# Altium PCB BreakOutBoard_Cyclone.PcbDoc (part 2 of 7)
Units mm, origin at the board's own origin, x right, y up, seen from the top; angles counter-clockwise.
Board outline 360 x 235.6 mm, 2 copper layers (Top Layer, Bottom Layer); 147 components, 203 nets, 2829 pads, 104 vias.
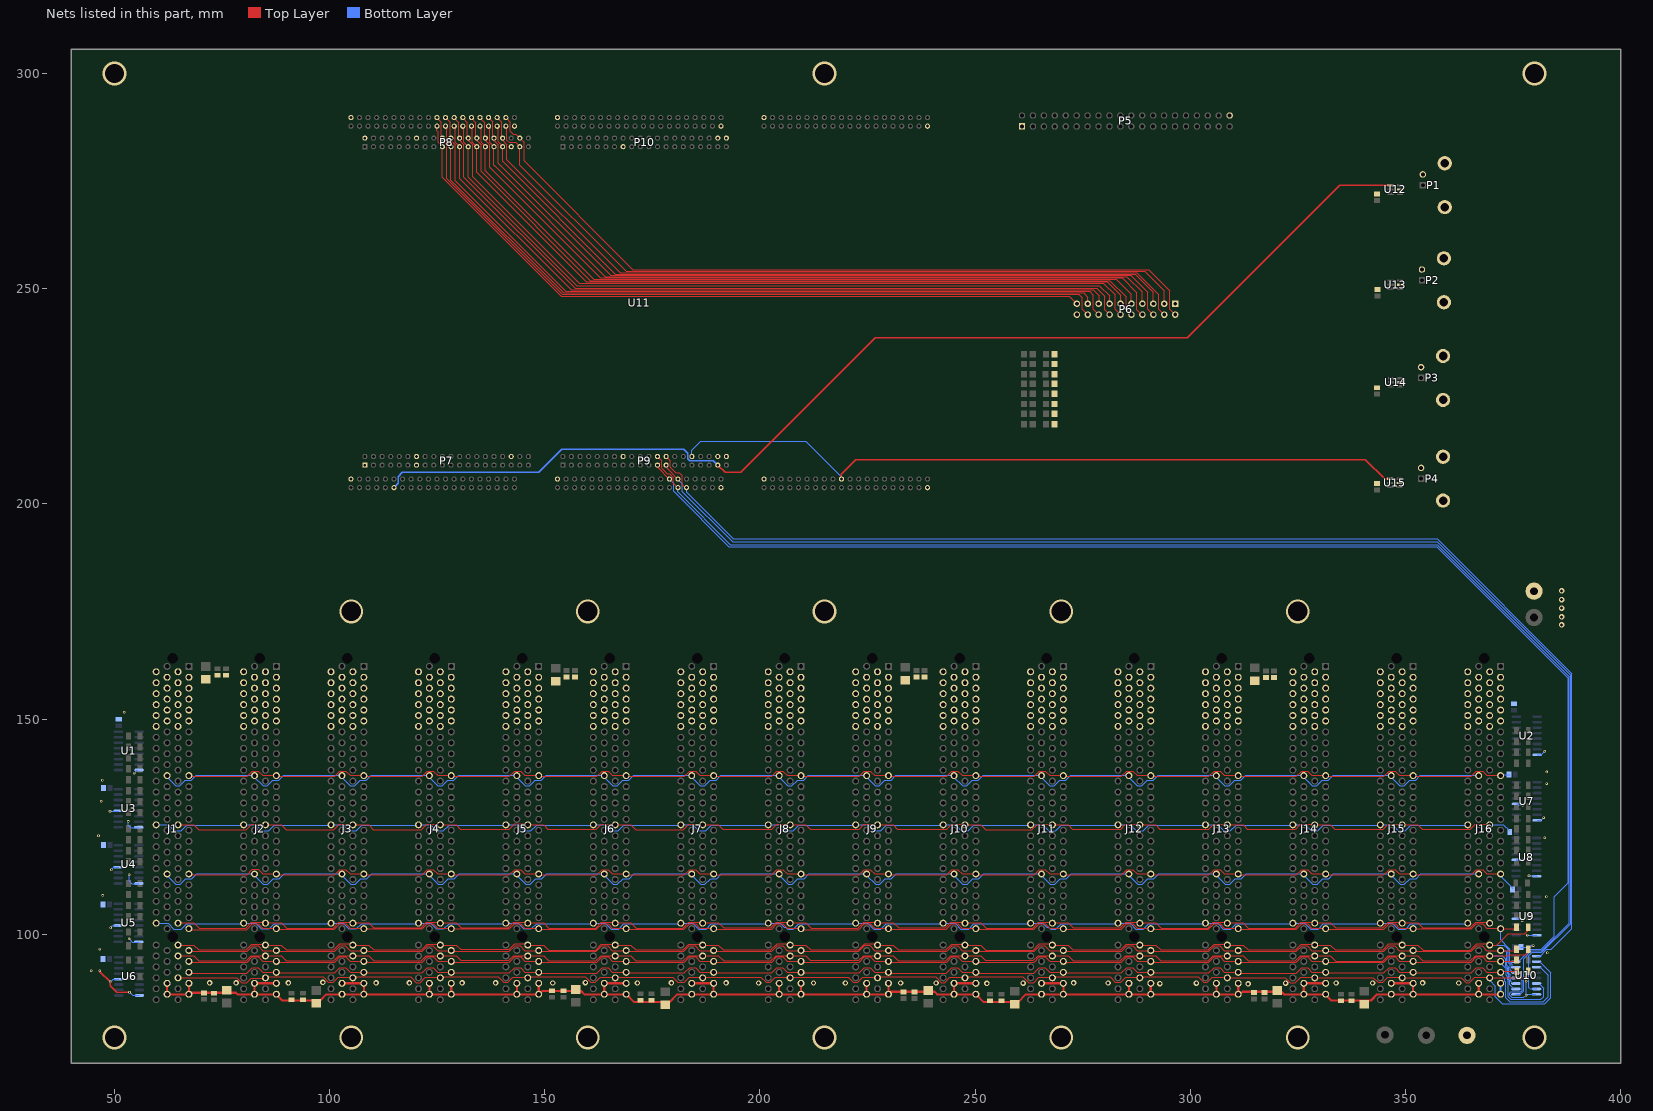
[diagram p2: the nets of this part, all layers, seen from the top]

## Via types
v1: diameter 0.6, hole 0.3, Top Layer to Bottom Layer, 53 vias
v2: diameter 1.27, hole 0.711, Top Layer to Bottom Layer, 36 vias
v3: diameter 5.5, hole 4.5, Top Layer to Bottom Layer, 15 vias

## Nets (pads, with @x,y where several pads share a name; then routed paths per layer and width w, separated by ;. In a path a pad name is that pad's centre, name@x,y a point inside that pad or via, vN(x,y) a via of type N, cw(c..) or ccw(c..) an arc to the next point about the centre after c; other vN are vias at no path point) (continued)
AGND: C1.2 C2.2 C3.2 C4.2 C5.2 C6.2 C7.1 C8.1 C9.1 C10.1 C11.1 C12.1 C13.1 C14.1 C15.2 C16.2 C17.2 C18.2 C19.2 C20.2 C21.2 C22.2 C23.1 C24.1 C25.1 C26.1 C27.1 C28.1 C29.1 C30.1 C31.1 C32.1 C33.1 C34.1 C35.1 C36.1 C37.1 C38.1 C39.2 C40.2 C41.2 C42.2 C43.2 C44.2 C45.2 C46.2 C47.1 C48.1 C49.1 C50.1 J1.2 J1.3 J1.4 J1.5 J1.6 J1.7 J1.8 J1.9 J1.10 J1.11 J1.12 J1.21 J1.30 J1.39 J1.48 J1.57 J1.59 J1.62 J1.63 J1.64 J1.65 J1.66 J1.67 J1.68 J1.69 J1.70 J1.71 J1.72 J1.81 J1.90 J1.99 J1.108 J1.117 J1.119 J2.2 J2.3 J2.4 J2.5 J2.6 J2.7 J2.8 J2.9 J2.10 J2.11 J2.12 J2.21 J2.30 J2.39 J2.48 J2.57 J2.59 J2.62 J2.63 J2.64 J2.65 J2.66 J2.67 J2.68 J2.69 J2.70 J2.71 J2.72 J2.81 J2.90 J2.99 J2.108 J2.117 J2.119 J3.2 J3.3 J3.4 J3.5 J3.6 J3.7 J3.8 J3.9 J3.10 J3.11 J3.12 J3.21 J3.30 J3.39 J3.48 J3.57 J3.59 J3.62 J3.63 J3.64 J3.65 J3.66 J3.67 J3.68 J3.69 J3.70 J3.71 J3.72 J3.81 J3.90 J3.99 J3.108 J3.117 J3.119 J4.2 J4.3 J4.4 J4.5 J4.6 J4.7 J4.8 J4.9 J4.10 J4.11 J4.12 J4.21 J4.30 J4.39 J4.48 J4.57 J4.59 J4.62 J4.63 J4.64 J4.65 J4.66 J4.67 J4.68 J4.69 J4.70 J4.71 J4.72 J4.81 J4.90 J4.99 J4.108 J4.117 J4.119 J5.2 J5.3 J5.4 J5.5 J5.6 J5.7 J5.8 J5.9 J5.10 J5.11 J5.12 J5.21 J5.30 J5.39 J5.48 J5.57 J5.59 J5.62 J5.63 J5.64 J5.65 J5.66 J5.67 J5.68 J5.69 J5.70 J5.71 J5.72 J5.81 J5.90 J5.99 J5.108 J5.117 J5.119 J6.2 J6.3 J6.4 J6.5 J6.6 J6.7 J6.8 J6.9 J6.10 J6.11 J6.12 J6.21 J6.30 J6.39 J6.48 J6.57 J6.59 J6.62 J6.63 J6.64 J6.65 J6.66 J6.67 J6.68 J6.69 J6.70 J6.71 J6.72 J6.81 J6.90 J6.99 J6.108 J6.117 J6.119 J7.2 J7.3 J7.4 J7.5 J7.6 J7.7 J7.8 J7.9 J7.10 J7.11 J7.12 J7.21 J7.30 J7.39 J7.48 J7.57 J7.59 J7.62 J7.63 J7.64 J7.65 J7.66 J7.67 J7.68 J7.69 J7.70 J7.71 J7.72 J7.81 J7.90 J7.99 J7.108 J7.117 J7.119 J8.2 J8.3 J8.4 J8.5 J8.6 J8.7 J8.8 J8.9 J8.10 J8.11 J8.12 J8.21 J8.30 J8.39 J8.48 J8.57 J8.59 J8.62 J8.63 J8.64 J8.65 J8.66 J8.67 J8.68 J8.69 J8.70 J8.71 J8.72 J8.81 J8.90 J8.99 J8.108 J8.117 J8.119 J9.2 J9.3 J9.4 J9.5 J9.6 J9.7 J9.8 J9.9 J9.10 J9.11 J9.12 J9.21 J9.30 J9.39 J9.48 J9.57 J9.59 J9.62 J9.63 J9.64 J9.65 J9.66 J9.67 J9.68 J9.69 J9.70 J9.71 J9.72 J9.81 J9.90 J9.99 J9.108 J9.117 J9.119 J10.2 J10.3 J10.4 J10.5 J10.6 J10.7 J10.8 J10.9 J10.10 J10.11 J10.12 J10.21 J10.30 J10.39 J10.48 J10.57 J10.59 J10.62 J10.63 J10.64 J10.65 J10.66 J10.67 J10.68 J10.69 J10.70 J10.71 J10.72 J10.81 J10.90 J10.99 J10.108 J10.117 J10.119 J11.2 J11.3 J11.4 J11.5 J11.6 J11.7 J11.8 J11.9 J11.10 J11.11 J11.12 J11.21 J11.30 J11.39 J11.48 J11.57 J11.59 J11.62 J11.63 J11.64 J11.65 J11.66 J11.67 J11.68 J11.69 J11.70 J11.71 J11.72 J11.81 J11.90 J11.99 J11.108 J11.117 J11.119 J12.2 J12.3 J12.4 J12.5 J12.6 J12.7 J12.8 J12.9 J12.10 J12.11 J12.12 J12.21 J12.30 J12.39 J12.48 J12.57 J12.59 J12.62 J12.63 J12.64 J12.65 J12.66 J12.67 J12.68 J12.69 J12.70 J12.71 J12.72 J12.81 J12.90 J12.99 J12.108 J12.117 J12.119 J13.2 J13.3 J13.4 J13.5 J13.6 J13.7 J13.8 J13.9 J13.10 J13.11 J13.12 J13.21 J13.30 J13.39 J13.48 J13.57 J13.59 J13.62 J13.63 J13.64 J13.65 J13.66 J13.67 J13.68 J13.69 J13.70 J13.71 J13.72 J13.81 J13.90 J13.99 J13.108 J13.117 J13.119 J14.2 J14.3 J14.4 J14.5 J14.6 J14.7 J14.8 J14.9 J14.10 J14.11 J14.12 J14.21 J14.30 J14.39 J14.48 J14.57 J14.59 J14.62 J14.63 J14.64 J14.65 J14.66 J14.67 J14.68 J14.69 J14.70 J14.71 J14.72 J14.81 J14.90 J14.99 J14.108 J14.117 J14.119 J15.2 J15.3 J15.4 J15.5 J15.6 J15.7 J15.8 J15.9 J15.10 J15.11 J15.12 J15.21 J15.30 J15.39 J15.48 J15.57 J15.59 J15.62 J15.63 J15.64 J15.65 J15.66 J15.67 J15.68 J15.69 J15.70 J15.71 J15.72 J15.81 J15.90 J15.99 J15.108 J15.117 J15.119 J16.2 J16.3 J16.4 J16.5 J16.6 J16.7 J16.8 J16.9 J16.10 J16.11 J16.12 J16.21 J16.30 J16.39 J16.48 J16.57 J16.59 J16.62 J16.63 J16.64 J16.65 J16.66 J16.67 J16.68 J16.69 J16.70 J16.71 J16.72 J16.81 J16.90 J16.99 J16.108 J16.117 J16.119 P1.2 P2.2 P3.2 P4.2 P5.1 P5.40 P6.1 P6.20 P7.1 P7.13 P7.14 P7.36 P8.2 P8.14 P8.35 P9.16 P9.38 P9.40 P10.15 P10.38 P10.40 pad.0@364.3,76.5 pad.0@379.9,179.7 R41.1 R42.1 R43.1 R44.1 R45.1 R46.1 R47.1 R48.1 U1.8 U2.8 U3.8 U3.12 U4.8 U4.12 U5.8 U5.12 U6.8 U6.12 U7.8 U7.12 U8.8 U8.12 U9.8 U9.12 U10.8 U10.12 U11.1A2 U11.1B2 U11.1B39 U11.1C2 U11.1C39 U11.2A2 U11.2A39 U11.2B2 U11.2B39 U11.2C2 U11.2C39 U12.2 U13.2 U14.2 U15.2 | length 3094.9
  Top Layer w0.15: J1.48@64.77,102.672 68.428,102.672 69.72,101.38 80.48,101.38 81.83,102.73 J2.48@85.032,102.73 ; J1.30@64.77,125.373 68.428,125.373 69.54,124.26 80.66,124.26 81.95,125.55 84.912,125.55 J2.30@85.032,125.43 ; J1.21@67.31,136.902 67.522,136.69 80.819,136.69 82.032,137.903 83.436,137.903 84.437,136.902 87.63,136.902 87.842,136.69 101.139,136.69 102.352,137.903 103.756,137.903 104.757,136.902 107.95,136.902 108.152,136.7 121.469,136.7 122.672,137.903 124.076,137.903 125.077,136.902 128.27,136.902 128.512,136.66 141.749,136.66 142.992,137.903 144.396,137.903 145.397,136.902 148.59,136.902 148.802,136.69 162.099,136.69 163.312,137.903 164.716,137.903 165.717,136.902 168.91,136.902 169.142,136.67 182.399,136.67 183.632,137.903 185.036,137.903 186.037,136.902 189.23,136.902 189.426,136.706 202.755,136.706 203.952,137.903 205.356,137.903 206.357,136.902 209.55,136.902 209.752,136.7 223.069,136.7 224.272,137.903 225.676,137.903 226.677,136.902 229.87,136.902 230.072,136.7 243.389,136.7 244.592,137.903 245.996,137.903 246.997,136.902 250.19,136.902 250.392,136.7 263.709,136.7 264.912,137.903 266.316,137.903 267.317,136.902 270.51,136.902 270.732,136.68 284.009,136.68 285.232,137.903 286.636,137.903 287.637,136.902 290.83,136.902 291.062,136.67 304.319,136.67 305.552,137.903 306.956,137.903 307.957,136.902 311.15,136.902 311.346,136.706 324.675,136.706 325.872,137.903 327.276,137.903 328.277,136.902 331.47,136.902 331.712,136.66 344.949,136.66 346.192,137.903 347.596,137.903 348.597,136.902 351.79,136.902 351.982,136.71 365.319,136.71 366.512,137.903 367.916,137.903 368.917,136.902 J16.21@372.11,136.902 ; J1.11@67.31,149.503 J1.11@67.506,149.306 ; J1.39@67.506,113.806 67.512,113.8 80.829,113.8 82.059,115.03 83.409,115.03 84.437,114.002 J2.39@87.63,114.002 ; J2.48@85.09,102.672 88.748,102.672 90,101.42 100.84,101.42 102.15,102.73 J3.48@105.352,102.73 ; J2.30@85.09,125.373 88.748,125.373 89.87,124.25 100.97,124.25 102.27,125.55 105.232,125.55 J3.30@105.352,125.43 ; J2.11@87.63,149.503 J2.11@87.826,149.306 ; J2.39@87.826,113.806 101.155,113.806 102.352,115.003 103.756,115.003 104.757,114.002 J3.39@107.95,114.002 ; J3.48@105.41,102.672 109.068,102.672 110.24,101.5 121.24,101.5 122.47,102.73 J4.48@125.672,102.73 ; J3.30@105.41,125.373 109.068,125.373 110.19,124.25 121.29,124.25 122.59,125.55 125.552,125.55 J4.30@125.672,125.43 ; J3.39@108.146,113.806 121.475,113.806 122.672,115.003 124.076,115.003 125.077,114.002 J4.39@128.27,114.002 ; J4.48@125.73,102.672 129.388,102.672 130.56,101.5 141.56,101.5 142.79,102.73 J5.48@145.992,102.73 ; J4.30@125.73,125.373 129.388,125.373 130.358,124.402 141.763,124.402 142.98,125.62 145.802,125.62 J5.30@145.992,125.43 ; J4.39@128.466,113.806 141.795,113.806 142.992,115.003 144.396,115.003 145.397,114.002 J5.39@148.59,114.002 ; J5.48@146.05,102.672 149.708,102.672 150.97,101.41 161.79,101.41 163.11,102.73 J6.48@166.312,102.73 ; J5.30@146.05,125.373 149.708,125.373 150.678,124.402 162.011,124.402 163.158,125.55 166.192,125.55 J6.30@166.312,125.43 ; J5.39@148.786,113.806 162.115,113.806 163.312,115.003 164.716,115.003 165.717,114.002 J6.39@168.91,114.002 ; J6.48@166.37,102.672 170.028,102.672 171.31,101.39 182.09,101.39 183.43,102.73 J7.48@186.632,102.73 ; J6.30@166.37,125.373 170.028,125.373 171.11,124.29 182.146,124.29 183.456,125.6 186.462,125.6 J7.30@186.632,125.43 ; J6.39@169.106,113.806 182.435,113.806 183.632,115.003 185.036,115.003 186.037,114.002 J7.39@189.23,114.002 ; J7.48@186.69,102.672 190.348,102.672 191.56,101.46 202.48,101.46 203.75,102.73 J8.48@206.952,102.73 ; J7.30@186.69,125.373 190.348,125.373 191.318,124.402 202.723,124.402 203.9,125.58 206.802,125.58 J8.30@206.952,125.43 ; J7.39@189.426,113.806 202.755,113.806 203.952,115.003 205.356,115.003 206.357,114.002 J8.39@209.55,114.002 ; J8.48@207.01,102.672 210.668,102.672 211.98,101.36 222.7,101.36 224.07,102.73 J9.48@227.272,102.73 ; J8.30@207.01,125.373 210.668,125.373 211.638,124.402 223.043,124.402 224.17,125.53 227.172,125.53 J9.30@227.272,125.43 ; J8.39@209.746,113.806 223.075,113.806 224.272,115.003 225.676,115.003 226.677,114.002 J9.39@229.87,114.002 ; J9.48@227.33,102.672 230.988,102.672 232.21,101.45 243.11,101.45 244.39,102.73 J10.48@247.592,102.73 ; J9.30@227.33,125.373 230.988,125.373 231.958,124.402 243.363,124.402 244.54,125.58 247.442,125.58 J10.30@247.592,125.43 ; J9.39@230.066,113.806 243.395,113.806 244.592,115.003 245.996,115.003 246.997,114.002 J10.39@250.19,114.002 ; J10.48@247.65,102.672 251.308,102.672 252.59,101.39 263.37,101.39 264.71,102.73 J11.48@267.912,102.73 ; J10.30@247.65,125.373 251.308,125.373 252.47,124.21 263.218,124.21 264.562,125.554 267.788,125.554 J11.30@267.912,125.43 ; J10.39@250.386,113.806 263.715,113.806 264.912,115.003 266.316,115.003 267.317,114.002 J11.39@270.51,114.002 ; J11.48@267.97,102.672 271.628,102.672 272.86,101.44 283.74,101.44 285.03,102.73 J12.48@288.232,102.73 ; J11.30@267.97,125.373 271.628,125.373 272.598,124.402 283.811,124.402 284.908,125.5 288.162,125.5 J12.30@288.232,125.43 ; J11.39@270.706,113.806 284.035,113.806 285.232,115.003 286.636,115.003 287.637,114.002 J12.39@290.83,114.002 ; J12.48@288.29,102.672 291.948,102.672 293.23,101.39 304.01,101.39 305.35,102.73 J13.48@308.552,102.73 ; J12.30@288.29,125.373 291.948,125.373 292.918,124.402 304.311,124.402 305.462,125.554 308.428,125.554 J13.30@308.552,125.43 ; J12.39@291.026,113.806 304.355,113.806 305.552,115.003 306.956,115.003 307.957,114.002 J13.39@311.15,114.002 ; J13.48@308.61,102.672 312.268,102.672 313.52,101.42 324.36,101.42 325.67,102.73 J14.48@328.872,102.73 ; J13.30@308.61,125.373 312.268,125.373 313.238,124.402 324.511,124.402 325.608,125.5 328.802,125.5 J14.30@328.872,125.43 ; J13.39@311.346,113.806 324.675,113.806 325.872,115.003 327.276,115.003 328.277,114.002 J14.39@331.47,114.002 ; J14.48@328.93,102.672 332.588,102.672 333.81,101.45 344.71,101.45 345.99,102.73 J15.48@349.192,102.73 ; J14.30@328.93,125.373 332.588,125.373 333.558,124.402 344.861,124.402 345.958,125.5 349.122,125.5 J15.30@349.192,125.43 ; J14.39@331.666,113.806 344.995,113.806 346.192,115.003 347.596,115.003 348.597,114.002 J15.39@351.79,114.002 ; J15.48@349.25,102.672 352.908,102.672 354.074,101.506 365.086,101.506 366.31,102.73 J16.48@369.512,102.73 ; J15.30@349.25,125.373 352.908,125.373 353.878,124.402 365.103,124.402 366.2,125.5 369.442,125.5 J16.30@369.512,125.43 ; J15.39@351.986,113.806 365.315,113.806 366.512,115.003 367.916,115.003 368.917,114.002 J16.39@372.11,114.002
  Top Layer w0.3: v1@46.6,91.3 v1(49,88.9) 49,88 50.5,86.5 v1(53.5,86.5)
  Top Layer w0.5: J1.119@62.2,86 67.4,86 67.8,86.4 78.2,86.4 78.6,86 87.6,86 89,84.6 97.8,84.6 99.2,86 148.6,86 149.4,86.8 158.4,86.8 159.2,86 169,86 170.8,84.2 179,84.2 180.8,86 229.8,86 230.4,86.6 240.6,86.6 241.2,86 250.2,86 252,84.2 260,84.2 261.8,86 J12.119@285.75,86 ; J1.119@62.23,86.03 J1.119@62.23,86.042 J1.117@62.23,88.582 ; J1.59@67.31,86.09 J1.57@67.31,88.582 ; J2.117@82.5,88.6 82.518,88.582 J2.117@82.55,88.582 ; J2.119@82.55,86.05 J2.117@82.55,88.582 ; J2.57@87.63,88.582 J2.117@82.55,88.582 ; J3.117@102.8,88.6 102.818,88.582 J3.117@102.87,88.582 J3.57@107.95,88.582 J3.59@107.95,86.05 ; J4.119@123.19,86.01 J4.119@123.19,86.042 J4.117@123.19,88.582 ; J4.59@128.27,86.13 J4.57@128.27,88.582 ; J5.119@143.51,86.09 J5.117@143.51,88.582 ; J5.59@148.59,86.01 J5.59@148.59,86.042 J5.57@148.59,88.582 ; J6.119@163.83,86.03 J6.119@163.83,86.042 J6.117@163.83,88.582 ; J6.117@163.9,88.6 163.918,88.582 J6.57@168.91,88.582 ; J7.117@184.1,88.6 184.118,88.582 J7.117@184.15,88.582 J7.57@189.23,88.582 J7.59@189.23,86.042 J7.59@189.23,86.03 ; J8.119@204.47,86.07 J8.117@204.47,88.582 ; J8.59@209.55,86.05 J8.57@209.55,88.582 ; J9.119@224.79,86.01 J9.119@224.79,86.042 J9.117@224.79,88.582 ; J9.59@229.87,86.27 J9.57@229.87,88.582 ; J10.117@245.1,88.6 245.118,88.582 J10.57@250.19,88.582 ; J10.119@245.11,86.09 J10.117@245.11,88.582 ; J11.117@265.4,88.6 265.418,88.582 J11.117@265.43,88.582 J11.57@270.51,88.582 J11.59@270.51,86.09 ; J12.119@285.75,85.85 J12.119@285.75,86 ; J12.117@285.75,88.582 J12.119@285.75,86.042 J12.119@285.75,86 ; J12.59@290.83,85.83 J12.59@290.83,86 ; J12.57@290.83,88.582 J12.59@290.83,86.042 J12.59@290.83,86 ; J13.119@306.07,86.07 J13.117@306.07,88.582 ; J13.59@311.15,86.05 J13.57@311.15,88.582 ; J14.119@326.39,86.01 J14.119@326.39,86.042 J14.117@326.39,88.582 ; J14.117@326.4,88.6 326.418,88.582 J14.57@331.47,88.582 ; J15.117@346.7,88.6 346.718,88.582 J15.57@351.79,88.582 J15.59@351.79,86.042 J15.59@351.79,86 ; J15.59@351.79,85.81 J15.59@351.79,86 ; J16.119@367.03,86.17 J16.117@367.03,88.582 ; J16.59@372.11,86 J15.59@351.79,86 ; J12.119@285.75,86 J12.59@290.83,86 ; J12.59@290.83,86 311.6,86 312.2,86.6 321.2,86.6 321.8,86 331.4,86 332.8,84.6 342,84.6 343.4,86 J15.59@351.79,86
  Bottom Layer w0.15: v1(48.965,128.565) U3.12@51,128.565 ; v1(49,88.9) 49.665,89.565 U6.12@51,89.565 ; v1(49.1,101.5) 49,101.5 49.465,101.965 U5.12@51,101.965 ; v1(49.3,115) 49.865,115.565 U4.12@51,115.565 ; v1(53.2,126.2) 53.2,125.3 53.745,124.755 U3.8@55.8,124.755 ; v1(53.4,98.9) 54.145,98.155 U5.8@55.8,98.155 ; v1(53.4,113.8) 53.4,112.4 54.045,111.755 U4.8@55.8,111.755 ; v1(53.5,86.5) 54.245,85.755 U6.8@55.8,85.755 ; v1(54.61,137.44) 55.225,138.055 U1.8@55.47,138.055 ; J1.108@59.6,102.5 62.5,102.5 63.83,101.17 65.57,101.17 66.8,102.4 79.758,102.4 J2.108@79.91,102.552 ; J1.90@59.6,125.4 62.5,125.4 63.9,124 65.5,124 66.8,125.3 79.758,125.3 J2.90@79.91,125.452 ; J1.81@62.1,136.9 62.1,136.6 64.2,134.5 65.2,134.5 66.5,135.8 67.9,135.8 69.023,136.922 J2.81@82.45,136.922 ; J1.71@62.1,149.2 J1.71@62.1,149.5 ; J1.69@62.1,151.8 J1.69@62.1,152.1 ; J1.67@62.1,154.3 J1.67@62.1,154.6 ; J1.65@62.1,156.9 J1.65@62.1,157.2 ; J1.99@62.2,114 62.2,113.7 64.3,111.6 65.3,111.6 66.6,112.9 68,112.9 69.123,114.022 J2.99@82.55,114.022 ; J2.72@79.758,148.1 J2.72@79.91,148.253 ; J2.108@79.92,102.5 82.82,102.5 84.12,101.2 85.92,101.2 87.12,102.4 100.078,102.4 J3.108@100.23,102.552 ; J2.90@79.92,125.4 82.82,125.4 84.22,124 85.82,124 87.12,125.3 100.078,125.3 J3.90@100.23,125.452 ; J2.81@82.42,136.9 82.42,136.6 84.52,134.5 85.52,134.5 86.82,135.8 88.22,135.8 89.343,136.922 J3.81@102.77,136.922 ; J2.71@82.42,149.2 J2.71@82.42,149.5 ; J2.99@82.52,114 82.52,113.7 84.62,111.6 85.62,111.6 86.92,112.9 88.32,112.9 89.443,114.022 J3.99@102.87,114.022 ; J3.72@100.078,148.1 J3.72@100.23,148.253 ; J3.108@100.24,102.5 103.14,102.5 104.44,101.2 106.24,101.2 107.44,102.4 120.398,102.4 J4.108@120.55,102.552 ; J3.90@100.24,125.4 103.14,125.4 104.54,124 106.14,124 107.44,125.3 120.398,125.3 J4.90@120.55,125.452 ; J3.81@102.74,136.9 102.74,136.6 104.84,134.5 105.84,134.5 107.14,135.8 108.54,135.8 109.663,136.922 J4.81@123.09,136.922 ; J3.99@102.84,114 102.84,113.7 104.94,111.6 105.94,111.6 107.24,112.9 108.64,112.9 109.763,114.022 J4.99@123.19,114.022 ; J4.108@120.56,102.5 123.46,102.5 124.76,101.2 126.56,101.2 127.76,102.4 140.718,102.4 J5.108@140.87,102.552 ; J4.90@120.56,125.4 123.46,125.4 124.86,124 126.46,124 127.76,125.3 140.718,125.3 J5.90@140.87,125.452 ; J4.81@123.06,136.9 123.06,136.6 125.16,134.5 126.16,134.5 127.46,135.8 128.86,135.8 129.983,136.922 J5.81@143.41,136.922 ; J4.99@123.16,114 123.16,113.7 125.26,111.6 126.26,111.6 127.56,112.9 128.96,112.9 130.083,114.022 J5.99@143.51,114.022 ; J5.66@140.718,155.8 J5.66@140.87,155.952 ; J5.108@140.88,102.5 143.78,102.5 145.08,101.2 146.88,101.2 148.08,102.4 161.038,102.4 J6.108@161.19,102.552 ; J5.90@140.88,125.4 143.78,125.4 145.18,124 146.78,124 148.08,125.3 161.038,125.3 J6.90@161.19,125.452 ; J5.81@143.38,136.9 143.38,136.6 145.48,134.5 146.48,134.5 147.78,135.8 149.18,135.8 150.303,136.922 J6.81@163.73,136.922 ; J5.99@143.48,114 143.48,113.7 145.58,111.6 146.58,111.6 147.88,112.9 149.28,112.9 150.403,114.022 J6.99@163.83,114.022 ; J6.66@161.038,155.8 J6.66@161.19,155.952 ; J6.108@161.2,102.5 164.1,102.5 165.41,101.19 167.19,101.19 168.4,102.4 181.358,102.4 J7.108@181.51,102.552 ; J6.90@161.2,125.4 164.1,125.4 165.5,124 167.1,124 168.4,125.3 181.358,125.3 J7.90@181.51,125.452 ; J6.81@163.7,136.9 163.7,136.6 165.8,134.5 166.8,134.5 168.1,135.8 169.5,135.8 170.623,136.922 J7.81@184.05,136.922 ; J6.99@163.8,114 163.8,113.7 165.9,111.6 166.9,111.6 168.2,112.9 169.6,112.9 170.723,114.022 J7.99@184.15,114.022 ; J7.66@181.358,155.8 J7.66@181.51,155.952 ; J7.108@181.52,102.5 184.42,102.5 185.74,101.18 187.5,101.18 188.72,102.4 201.678,102.4 J8.108@201.83,102.552 ; J7.90@181.52,125.4 184.42,125.4 185.82,124 187.42,124 188.72,125.3 201.678,125.3 J8.90@201.83,125.452 ; J7.81@184.02,136.9 184.02,136.6 186.12,134.5 187.12,134.5 188.42,135.8 189.82,135.8 190.943,136.922 J8.81@204.37,136.922 ; J7.99@184.12,114 184.12,113.7 186.22,111.6 187.22,111.6 188.52,112.9 189.92,112.9 191.043,114.022 J8.99@204.47,114.022 ; J8.66@201.678,155.8 J8.66@201.83,155.952 ; J8.108@201.84,102.5 204.74,102.5 205.658,101.582 206.003,101.582 206.485,101.1 207.74,101.1 209.04,102.4 221.998,102.4 J9.108@222.15,102.552 ; J8.90@201.84,125.4 204.74,125.4 206.14,124 207.74,124 209.04,125.3 221.998,125.3 J9.90@222.15,125.452 ; J8.81@204.34,136.9 204.34,136.6 206.44,134.5 207.44,134.5 208.74,135.8 210.14,135.8 211.263,136.922 J9.81@224.69,136.922 ; J8.99@204.44,114 204.44,113.7 206.54,111.6 207.54,111.6 208.84,112.9 210.24,112.9 211.363,114.022 J9.99@224.79,114.022 ; J9.66@221.998,155.8 J9.66@222.15,155.952 ; J9.108@222.16,102.5 225.06,102.5 226.42,101.14 228.1,101.14 229.36,102.4 242.318,102.4 J10.108@242.47,102.552 ; J9.90@222.16,125.4 225.06,125.4 226.46,124 228.06,124 229.36,125.3 242.318,125.3 J10.90@242.47,125.452 ; J9.81@224.66,136.9 224.66,136.6 226.76,134.5 227.76,134.5 229.06,135.8 230.46,135.8 231.583,136.922 J10.81@245.01,136.922 ; J9.99@224.76,114 224.76,113.7 226.86,111.6 227.86,111.6 229.16,112.9 230.56,112.9 231.683,114.022 J10.99@245.11,114.022 ; J10.108@242.48,102.5 245.38,102.5 246.69,101.19 248.47,101.19 249.68,102.4 262.638,102.4 J11.108@262.79,102.552 ; J10.90@242.48,125.4 245.38,125.4 246.78,124 248.38,124 249.68,125.3 262.638,125.3 J11.90@262.79,125.452 ; J10.81@244.98,136.9 244.98,136.6 247.08,134.5 248.08,134.5 249.38,135.8 250.78,135.8 251.903,136.922 J11.81@265.33,136.922 ; J10.99@245.08,114 245.08,113.7 247.18,111.6 248.18,111.6 249.48,112.9 250.88,112.9 252.003,114.022 J11.99@265.43,114.022 ; J11.108@262.8,102.5 265.7,102.5 266.618,101.582 267.052,101.582 267.535,101.1 268.7,101.1 270,102.4 282.958,102.4 J12.108@283.11,102.552 ; J11.90@262.8,125.4 265.7,125.4 267.1,124 268.7,124 270,125.3 282.958,125.3 J12.90@283.11,125.452 ; J11.81@265.3,136.9 265.3,136.6 267.4,134.5 268.4,134.5 269.7,135.8 271.1,135.8 272.223,136.922 J12.81@285.65,136.922 ; J11.99@265.4,114 265.4,113.7 267.5,111.6 268.5,111.6 269.8,112.9 271.2,112.9 272.323,114.022 J12.99@285.75,114.022 ; J12.108@283.12,102.5 286.02,102.5 287.35,101.17 289.09,101.17 290.32,102.4 303.278,102.4 J13.108@303.43,102.552 ; J12.90@283.12,125.4 286.02,125.4 287.42,124 289.02,124 290.32,125.3 303.278,125.3 J13.90@303.43,125.452 ; J12.81@285.62,136.9 285.62,136.6 287.72,134.5 288.72,134.5 290.02,135.8 291.42,135.8 292.543,136.922 J13.81@305.97,136.922 ; J12.99@285.72,114 285.72,113.7 287.82,111.6 288.82,111.6 290.12,112.9 291.52,112.9 292.643,114.022 J13.99@306.07,114.022 ; J13.108@303.44,102.5 306.34,102.5 307.717,101.123 309.363,101.123 310.64,102.4 323.598,102.4 J14.108@323.75,102.552 ; J13.90@303.44,125.4 306.34,125.4 307.74,124 309.34,124 310.64,125.3 323.598,125.3 J14.90@323.75,125.452 ; J13.81@305.94,136.9 305.94,136.6 308.04,134.5 309.04,134.5 310.34,135.8 311.74,135.8 312.863,136.922 J14.81@326.29,136.922 ; J13.99@306.04,114 306.04,113.7 308.14,111.6 309.14,111.6 310.44,112.9 311.84,112.9 312.963,114.022 J14.99@326.39,114.022 ; J14.108@323.76,102.5 326.66,102.5 328.01,101.15 329.71,101.15 330.96,102.4 343.918,102.4 J15.108@344.07,102.552 ; J14.90@323.76,125.4 326.66,125.4 328.06,124 329.66,124 330.96,125.3 343.918,125.3 J15.90@344.07,125.452 ; J14.81@326.26,136.9 326.26,136.6 328.36,134.5 329.36,134.5 330.66,135.8 332.06,135.8 333.183,136.922 J15.81@346.61,136.922 ; J14.99@326.36,114 326.36,113.7 328.46,111.6 329.46,111.6 330.76,112.9 332.16,112.9 333.283,114.022 J15.99@346.71,114.022 ; J15.108@344.08,102.5 346.98,102.5 348.3,101.18 350.06,101.18 351.28,102.4 364.238,102.4 J16.108@364.39,102.552 ; J15.90@344.08,125.4 346.98,125.4 348.38,124 349.98,124 351.28,125.3 364.238,125.3 J16.90@364.39,125.452 ; J15.81@346.58,136.9 346.58,136.6 348.68,134.5 349.68,134.5 350.98,135.8 352.38,135.8 353.503,136.922 J16.81@366.93,136.922 ; J15.99@346.68,114 346.68,113.7 348.78,111.6 349.78,111.6 351.08,112.9 352.48,112.9 353.603,114.022 J16.99@367.03,114.022 ; J16.30@369.57,125.412 372.788,125.412 C44.2@374.1,124.1 ; J16.39@372.11,113.983 372.11,113.49 C45.2@374.9,110.7 ; J16.21@372.2,136.8 372.5,137.1 C43.2@374.25,137.1 ; U10.12@375.67,89.805 376.485,89.805 377.14,89.15 377.14,86.98 376.76,86.6 374.5,86.6 374.2,86.3 374.2,85.784 374.664,85.32 377.53,85.32 v1(378.04,85.83) ; U9.12@375.7,103.565 376.665,103.565 v1(377.14,103.09) ; U7.12@376.735,130.265 U7.12@375.8,130.265 376,130.265 376.305,129.96 v1(377.25,129.96) ; 376.835,117.265 U8.12@375.7,117.265 375.735,117.23 v1(377.22,117.23) ; C46.2@376.85,96.99 378.96,96.99 379.47,97.5 v1@379.52,97.5 ; v1(378.06,89.06) 378.04,89.06 v1(378.04,85.83) ; v1(378.36,99.79) 378.395,99.755 U9.8@380.5,99.755 ; v1(378.71,113.6) 380.355,113.6 U8.8@380.5,113.455 ; U10.8@380.3,86.07 378.28,86.07 v1(378.04,85.83) ; U7.8@380.6,126.455 381.455,126.455 v1(382.1,127.1) ; U2.8@380.6,141.655 381.555,141.655 v1(382.4,142.5)
  Bottom Layer w0.5: J16.59@372.1,86 372.11,86.01 J16.59@372.11,86.042 J16.57@372.11,88.582
  other v1: 44.6,91.5 46.6,91.5 383,95.7 46.58,96.54 379.74,97.35 382.77,108.67 47.3,109 382.4,122.4 46.3,122.9 46.9,130.9 382.8,135 47.2,135.8 382.8,137.7 52.3,151.6
  other v2: 313.44,88.457 292.948,88.528 252.75,88.55 261.15,88.6 301.4,88.6 322.15,88.6 151.85,88.65 171.5,88.65 199.7,88.65 212.45,88.65 219.85,88.65 232.7,88.65 240.95,88.65 280.9,88.65 333.9,88.65 342.4,88.65 362.4,88.65 72.1,88.7 78.25,88.7 90.4,88.7 110.8,88.7 118.55,88.7 130.8,88.7 138.6,88.7 179.4,88.7 192.15,88.7 272.9,88.7 354,88.7 159.45,88.75 98.45,88.8 386.3,171.85 386.3,173.75 386.3,175.75 386.3,177.75 386.3,179.75
  other v3: 50,76 105,76 160,76 215,76 270,76 325,76 380,76 105,175 160,175 215,175 270,175 325,175 50,300 215,300 380,300
AUX_CLK_IN: P9.37 U11.1A11 U12.4 | length 266.8
  Top Layer w0.3: U11.1A11@114.9,203.7 U11.1A11@114.95,203.75 ; P9.37@190.2,209 191.9,207.3 195.55,207.3 226.85,238.6 299.35,238.6 334.75,274 U12.4@346.5,274
  Bottom Layer w0.3: U11.1A11@114.95,203.75 115.95,204.75 115.95,206.35 116.9,207.3 148.6,207.3 153.95,212.65 182.25,212.65 183.2,211.7 183.2,210.5 183.7,210 189.15,210 P9.37@190.2,208.95
AUX_IN_1: P9.32 U11.1C20 U15.4 | length 173.3
  Top Layer w0.3: U11.1C20@218.9,205.7 218.9,206.9 222.3,210.3 288.149,210.3 ; 288.3,210.3 288.149,210.3 ; U15.4@346.45,205.8 345.15,205.8 340.65,210.3 288.149,210.3
  Bottom Layer w0.15: P9.32@184.2,211 184.2,212.5 186.3,214.6 210.7,214.6 218.95,206.35 U11.1C20@218.95,205.75
AUX_IO_0: P6.2 P8.38 U11.2C3 | length 180.9
  Top Layer w0.15: U11.2C3@140.9,289.8 142,288.7 142,286.6 142.7,285.9 143.3,285.9 P8.38@144.2,285 145.2,284 145.2,279.7 170.45,254.45 290.35,254.45 295.26,249.54 295.26,245.2 P6.2@296.5,243.96
AUX_IO_1: P6.3 P8.37 U11.2C4 | length 176.1
  Top Layer w0.15: U11.2C4@140.95,287.75 141.2,287.5 141.2,284.5 141.7,284 143.2,284 P8.37@144.2,283 144.2,278.7 168.9,254 289.4,254 293.9,249.5 P6.3@293.9,246.5
AUX_IO_2: P6.4 P8.34 U11.2C5 | length 180.3
  Top Layer w0.15: U11.2C5@139,289.7 140,288.7 140,285.2 P8.34@140.2,285 140.2,284.5 141.2,283.5 141.2,280 167.5,253.7 287.6,253.7 292.72,248.58 292.72,245.2 P6.4@293.96,243.96
AUX_IO_3: P6.5 P8.33 U11.2C6 | length 175.3
  Top Layer w0.15: U11.2C6@138.95,287.75 139.2,287.5 139.2,284.1 140.2,283.1 140.2,279.6 166.4,253.4 287.2,253.4 291.4,249.2 P6.5@291.4,246.4
AUX_IO_4: P6.6 P8.32 U11.2C7 | length 180.5
  Top Layer w0.15: U11.2C7@137,289.7 137.9,288.8 137.9,285.3 P8.32@138.2,285 138.2,284.5 139.2,283.5 139.2,279.2 165.3,253.1 286.2,253.1 290.18,249.12 290.18,245.2 P6.6@291.42,243.96
AUX_IO_5: P6.7 P8.31 U11.2C8 | length 175.2
  Top Layer w0.15: U11.2C8@136.95,287.75 136.95,287.45 137.2,287.2 137.2,284 P8.31@138.2,283 138.2,278.7 138.3,278.6 ; 138.25,278.65 164.1,252.8 285.3,252.8 288.8,249.3 P6.7@288.8,246.5
AUX_IO_6: P6.8 P8.30 U11.2C9 | length 180.6
  Top Layer w0.15: U11.2C9@134.9,289.7 136,288.6 136,285.3 P8.30@136.2,285.1 ; P8.30@136.2,285 136.2,284.5 137.2,283.5 137.2,278.2 137.3,278.1 ; 137.25,278.15 137.3,278.1 ; P6.8@288.88,243.96 288.74,243.96 287.6,245.1 287.6,249.1 284.2,252.5 162.9,252.5 137.3,278.1
AUX_IO_7: P6.9 P8.29 U11.2C10 | length 175.2
  Top Layer w0.15: U11.2C10@134.95,287.75 134.95,287.25 135.2,287 135.2,284 P8.29@136.2,283 136.2,277.4 136.3,277.3 ; 136.25,277.35 136.3,277.3 ; P6.9@286.3,246.4 286.3,248.7 282.8,252.2 161.4,252.2 136.3,277.3
AUX_IO_8: P6.10 P8.28 U11.2C11 | length 180.1
  Top Layer w0.15: U11.2C11@132.9,289.7 134,288.6 134,285 P8.28@134.1,284.9 ; P8.28@134.2,285 134.2,284.5 135.2,283.5 135.2,277.3 135.3,277.2 ; 135.25,277.25 160.6,251.9 281.3,251.9 285.1,248.1 285.1,245.2 P6.10@286.34,243.96
AUX_IO_9: P6.11 P8.27 U11.2C12 | length 174.8
  Top Layer w0.15: U11.2C12@132.95,287.75 132.95,287.25 133.2,287 133.2,284 P8.27@134.2,283 134.2,277 134.4,276.8 ; 134.3,276.9 134.4,276.8 ; P6.11@283.8,246.5 283.8,248.5 280.7,251.6 159.6,251.6 134.4,276.8
AUX_IO_10: P6.12 P8.26 U11.2C13 | length 180
  Top Layer w0.15: U11.2C13@131,289.6 132,288.6 P8.26@132,285.2 ; P8.26@132.2,285 132.2,284.5 133.23,283.47 133.23,276.03 ; 133.25,276.05 158,251.3 279.8,251.3 282.56,248.54 282.56,245.2 P6.12@283.8,243.96
AUX_IO_11: P6.13 P8.25 U11.2C14 | length 174.7
  Top Layer w0.15: U11.2C14@130.95,287.75 131.2,287.5 131.2,284 P8.25@132.2,283 132.2,275.9 157.38,250.72 278.88,250.72 281.3,248.3 P6.13@281.3,246.5
AUX_IO_12: P6.14 P8.24 U11.2C15 | length 179.5
  Top Layer w0.15: U11.2C15@129,289.6 130,288.6 P8.24@130,285.1 ; P8.24@130.2,285 130.2,284.5 131.2,283.5 131.2,275.9 157.05,250.05 278.25,250.05 280.1,248.2 280.1,245.12 P6.14@281.26,243.96
AUX_IO_13: P6.15 P8.23 U11.2C16 | length 174.4
  Top Layer w0.15: U11.2C16@128.95,287.75 128.95,287.35 129.2,287.1 129.2,284 P8.23@130.2,283 130.2,275.6 156.1,249.7 277.4,249.7 278.8,248.3 P6.15@278.8,246.5
AUX_IO_14: P6.16 P8.22 U11.2C17 | length 179.6
  Top Layer w0.15: U11.2C17@127,289.7 128,288.7 P8.22@128,285.2 ; P8.22@128.2,285 128.2,284.5 129.2,283.5 129.2,275.1 154.9,249.4 276.6,249.4 277.5,248.5 277.5,245.18 P6.16@278.72,243.96
AUX_IO_15: P6.17 P8.21 U11.2C18 | length 173.9
  Top Layer w0.15: U11.2C18@126.95,287.75 127.2,287.5 127.2,284 P8.21@128.2,283 128.2,275.2 154.4,249 275.2,249 276.2,248 P6.17@276.2,246.4
AUX_IO_16: P6.18 P8.20 U11.2C19 | length 178
  Top Layer w0.15: U11.2C19@124.95,289.75 126,288.7 126,285.6 ; P8.20@126.2,285 126.2,284.5 127.2,283.5 127.2,275.6 154.1,248.7 274.1,248.7 274.9,247.9 274.9,245.24 P6.18@276.18,243.96
AUX_IO_17: P6.19 P8.19 U11.2C20 | length 172.3
  Top Layer w0.15: U11.2C20@125.2,287.5 U11.2C20@124.95,287.75 124.95,286.75 125.2,286.5 125.2,284 P8.19@126.2,283 126.2,275.9 153.85,248.25 271.85,248.25 P6.19@273.6,246.5
BUS0: P9.24 U10.9 U11.1B29 | length 316.4
  Top Layer w0.15: P9.24@176.2,211 177.2,210 177.2,208.29 178.49,207 179,207 179.9,206.1 179.9,204.8 U11.1B29@180.95,203.75
  Bottom Layer w0.15: U11.1B29@180.93,203.72 180.93,202.77 193.15,190.55 357.35,190.55 388.09,159.81 388.09,102.54 381.65,96.1 379.25,96.1 377.48,94.33 377.48,86.8 376.675,85.995 U10.9@375.67,85.995
BUS0_N: J1.52 J2.52 J3.52 J4.52 J5.52 J6.52 J7.52 J8.52 J9.52 J10.52 J11.52 J12.52 J13.52 J14.52 J15.52 J16.52 R1.1 U10.10 | length 339.8
  Top Layer w0.15: J1.52@64.77,94.972 68.428,94.972 69.6,93.8 80.6,93.8 81.83,95.03 J2.52@85.032,95.03 ; J2.52@85.09,94.972 88.748,94.972 89.87,93.85 100.97,93.85 102.15,95.03 J3.52@105.352,95.03 ; J3.52@105.41,94.972 109.068,94.972 110.234,93.806 121.246,93.806 122.47,95.03 J4.52@125.672,95.03 ; J4.52@125.73,94.972 129.388,94.972 130.463,93.897 141.657,93.897 142.79,95.03 J5.52@145.992,95.03 ; J5.52@146.05,94.972 149.708,94.972 150.87,93.81 161.89,93.81 163.11,95.03 J6.52@166.312,95.03 ; J6.52@166.37,94.972 170.028,94.972 171.194,93.806 182.206,93.806 183.43,95.03 J7.52@186.632,95.03 ; J7.52@186.69,94.972 190.348,94.972 191.54,93.78 202.5,93.78 203.75,95.03 J8.52@206.952,95.03 ; J8.52@207.01,94.972 210.668,94.972 211.743,93.897 222.937,93.897 224.07,95.03 J9.52@227.272,95.03 ; J9.52@227.33,94.972 230.988,94.972 232.16,93.8 243.16,93.8 244.39,95.03 J10.52@247.592,95.03 ; J10.52@247.65,94.972 251.308,94.972 252.4,93.88 263.56,93.88 264.71,95.03 J11.52@267.912,95.03 ; J11.52@267.97,94.972 271.628,94.972 272.82,93.78 283.78,93.78 285.03,95.03 J12.52@288.232,95.03 ; J12.52@288.29,94.972 291.948,94.972 293.1,93.82 304.14,93.82 305.35,95.03 J13.52@308.552,95.03 ; J13.52@308.61,94.972 312.268,94.972 313.46,93.78 324.42,93.78 325.67,95.03 J14.52@328.872,95.03 ; J14.52@328.93,94.972 332.588,94.972 333.8,93.76 344.72,93.76 345.99,95.03 J15.52@349.192,95.03 ; J15.52@349.25,94.972 352.908,94.972 354.08,93.8 365.08,93.8 366.31,95.03 J16.52@369.512,95.03 ; J16.52@369.57,94.932 373.833,94.932 374.1,95.2 377.9,95.2 R1.1@378.6,95.9
  Bottom Layer w0.15: J16.52@369.57,94.932 372.548,94.932 373.26,94.22 373.26,92.54 373.745,92.055 373.745,90.821 373.955,90.611 373.977,90.611 373.977,90.066 374.03,90.013 374.03,89.399 374.2,89.229 374.2,88.259 375.06,87.399 U10.10@375.06,87.26
BUS0_P: J1.51 J2.51 J3.51 J4.51 J5.51 J6.51 J7.51 J8.51 J9.51 J10.51 J11.51 J12.51 J13.51 J14.51 J15.51 J16.51 R1.2 U10.11 | length 334
  Top Layer w0.15: J1.51@67.31,96.203 67.462,96.05 80.879,96.05 82.129,97.3 82.152,97.277 83.362,97.277 84.437,96.203 J2.51@87.63,96.203 87.826,96.006 101.155,96.006 102.449,97.3 103.659,97.3 104.757,96.203 J3.51@107.95,96.203 108.112,96.04 121.509,96.04 122.769,97.3 122.792,97.277 124.002,97.277 125.077,96.203 J4.51@128.27,96.203 128.466,96.006 141.795,96.006 143.089,97.3 144.299,97.3 145.397,96.203 J5.51@148.59,96.203 148.802,95.99 161.923,95.99 163.233,97.3 164.619,97.3 165.717,96.203 J6.51@168.91,96.203 169.062,96.05 182.3,96.05 183.6,97.35 183.623,97.327 184.912,97.327 186.037,96.203 J7.51@189.23,96.203 189.426,96.006 202.755,96.006 204.049,97.3 205.259,97.3 206.357,96.203 J8.51@209.55,96.203 209.746,96.006 222.996,96.006 224.37,97.38 225.499,97.38 226.677,96.203 J9.51@229.87,96.203 230.066,96.006 243.395,96.006 244.639,97.25 245.949,97.25 246.997,96.203 J10.51@250.19,96.203 250.386,96.006 263.715,96.006 265.059,97.35 266.169,97.35 267.317,96.203 J11.51@270.51,96.203 270.706,96.006 284.035,96.006 285.279,97.25 286.589,97.25 287.637,96.203 J12.51@290.83,96.203 291.026,96.006 304.355,96.006 305.649,97.3 306.859,97.3 307.957,96.203 J13.51@311.15,96.203 311.346,96.006 324.675,96.006 325.969,97.3 327.179,97.3 328.277,96.203 J14.51@331.47,96.203 331.666,96.006 344.995,96.006 346.239,97.25 347.549,97.25 348.597,96.203 J15.51@351.79,96.203 352.012,95.98 365.289,95.98 366.609,97.3 367.819,97.3 368.917,96.203 J16.51@372.11,96.203 375.403,96.203 R1.2@375.8,96.6
  Bottom Layer w0.15: J16.51@372.11,96.203 372.122,96.19 373.156,96.19 373.56,95.786 373.56,92.77 374.045,92.285 374.045,90.967 374.345,90.667 374.345,89.508 374.5,89.353 374.5,89.08 U10.11@374.9,88.68
BUS1: P9.23 U10.15 U11.1B28 | length 306.1
  Top Layer w0.15: P9.23@176.2,209 176.2,208.5 U11.1B28@178.95,205.75
  Bottom Layer w0.15: U11.1B28@178.96,205.71 179.93,204.74 179.93,202.87 192.8,190 357.25,190 387.79,159.46 387.79,111.94 384.55,108.7 384.55,99.53 381.52,96.5 379.15,96.5 376.265,93.615 U10.15@375.67,93.615
BUS1_N: J1.49 J2.49 J3.49 J4.49 J5.49 J6.49 J7.49 J8.49 J9.49 J10.49 J11.49 J12.49 J13.49 J14.49 J15.49 J16.49 R2.1 U10.14 | length 330.2
  Top Layer w0.15: J1.49@67.506,101.206 67.632,101.08 80.709,101.08 82.032,102.403 83.436,102.403 84.437,101.402 J2.49@87.63,101.402 ; J2.49@87.826,101.206 87.912,101.12 101.069,101.12 102.352,102.403 103.756,102.403 104.757,101.402 J3.49@107.95,101.402 ; J3.49@108.146,101.206 108.152,101.2 121.469,101.2 122.672,102.403 124.076,102.403 125.077,101.402 J4.49@128.27,101.402 ; J4.49@128.466,101.206 128.472,101.2 141.789,101.2 142.992,102.403 144.396,102.403 145.397,101.402 J5.49@148.59,101.402 ; J5.49@148.786,101.206 148.882,101.11 162.019,101.11 163.312,102.403 164.716,102.403 165.717,101.402 J6.49@168.91,101.402 ; J6.49@169.106,101.206 169.222,101.09 182.319,101.09 183.632,102.403 185.036,102.403 186.037,101.402 J7.49@189.23,101.402 ; J7.49@189.426,101.206 189.472,101.16 202.709,101.16 203.952,102.403 205.356,102.403 206.357,101.402 J8.49@209.55,101.402 ; J8.49@209.746,101.206 209.892,101.06 222.929,101.06 224.272,102.403 225.676,102.403 226.677,101.402 J9.49@229.87,101.402 ; J9.49@230.066,101.206 230.122,101.15 243.339,101.15 244.592,102.403 245.996,102.403 246.997,101.402 J10.49@250.19,101.402 ; J10.49@250.386,101.206 250.502,101.09 263.599,101.09 264.912,102.403 266.316,102.403 267.317,101.402 J11.49@270.51,101.402 ; J11.49@270.706,101.206 270.772,101.14 283.969,101.14 285.232,102.403 286.636,102.403 287.637,101.402 J12.49@290.83,101.402 ; J12.49@291.026,101.206 291.142,101.09 304.239,101.09 305.552,102.403 306.956,102.403 307.957,101.402 J13.49@311.15,101.402 ; J13.49@311.346,101.206 311.432,101.12 324.589,101.12 325.872,102.403 327.276,102.403 328.277,101.402 J14.49@331.47,101.402 ; J14.49@331.666,101.206 331.722,101.15 344.939,101.15 346.192,102.403 347.596,102.403 348.597,101.402 J15.49@351.79,101.402 ; J15.49@351.986,101.206 365.315,101.206 366.512,102.403 367.916,102.403 368.917,101.402 J16.49@372.11,101.402 ; J16.49@372.11,101.282 375.183,101.282 R2.1@375.7,101.8
  Bottom Layer w0.15: J16.49@372.11,101.282 372.11,98.664 373.825,96.949 373.825,96.933 374.133,96.625 374.181,96.625 374.266,96.54 374.266,93.418 374.79,92.894 U10.14@374.79,92.45
BUS1_P: J1.50 J2.50 J3.50 J4.50 J5.50 J6.50 J7.50 J8.50 J9.50 J10.50 J11.50 J12.50 J13.50 J14.50 J15.50 J16.50 R2.2 U10.13 | length 341.4
  Top Layer w0.15: J1.50@64.77,97.472 68.428,97.472 69.55,96.35 80.65,96.35 81.9,97.6 84.962,97.6 J2.50@85.032,97.53 ; J2.50@85.09,97.472 88.748,97.472 89.9,96.32 100.94,96.32 102.38,97.76 105.122,97.76 J3.50@105.352,97.53 ; J3.50@105.41,97.472 109.068,97.472 110.2,96.34 121.385,96.34 122.645,97.6 125.602,97.6 J4.50@125.672,97.53 ; J4.50@125.73,97.472 129.388,97.472 130.423,96.437 141.697,96.437 143.06,97.8 145.723,97.8 J5.50@145.992,97.53 ; J5.50@146.05,97.472 149.708,97.472 150.89,96.29 161.798,96.29 163.108,97.6 166.242,97.6 J6.50@166.312,97.53 ; J6.50@166.37,97.472 170.028,97.472 171.15,96.35 182.176,96.35 183.476,97.65 186.512,97.65 J7.50@186.632,97.53 ; J7.50@186.69,97.472 190.348,97.472 191.48,96.34 202.56,96.34 203.99,97.77 206.712,97.77 J8.50@206.952,97.53 ; J8.50@207.01,97.472 210.668,97.472 211.76,96.38 222.92,96.38 224.3,97.76 227.042,97.76 J9.50@227.272,97.53 ; J9.50@227.33,97.472 230.988,97.472 232.13,96.33 243.19,96.33 244.54,97.68 247.442,97.68 J10.50@247.592,97.53 ; J10.50@247.65,97.472 251.308,97.472 252.47,96.31 263.49,96.31 264.92,97.74 267.702,97.74 J11.50@267.912,97.53 ; J11.50@267.97,97.472 271.628,97.472 272.72,96.38 283.88,96.38 285.18,97.68 288.082,97.68 J12.50@288.232,97.53 ; J12.50@288.29,97.472 291.948,97.472 293.09,96.33 304.15,96.33 305.52,97.7 308.382,97.7 J13.50@308.552,97.53 ; J13.50@308.61,97.472 312.268,97.472 313.42,96.32 324.46,96.32 325.82,97.68 328.722,97.68 J14.50@328.872,97.53 ; J14.50@328.93,97.472 332.588,97.472 333.7,96.36 344.82,96.36 346.18,97.72 349.002,97.72 J15.50@349.192,97.53 ; J15.50@349.25,97.472 352.908,97.472 354.1,96.28 365.06,96.28 366.52,97.74 369.302,97.74 J16.50@369.512,97.53 ; J16.50@369.57,97.472 371.273,97.472 373.9,100.1 377.7,100.1 R2.2@378.5,100.9
  Bottom Layer w0.15: J16.50@369.57,97.472 372.877,97.472 373.525,96.825 373.525,96.808 373.86,96.473 373.86,93.4 374.345,92.915 374.345,91.715 U10.13@374.97,91.09
BUS2: P9.26 U10.1 U11.1B31 | length 304.3
  Top Layer w0.15: P9.26@178.2,211 179.2,210 179.2,208.46 180.46,207.2 181.23,207.2 181.95,206.48 181.95,204.45 182.65,203.75 U11.1B31@182.95,203.75
  Bottom Layer w0.15: U11.1B31@182.94,203.8 182.94,202.67 193.76,191.85 357.35,191.85 388.69,160.51 388.69,101.29 383.85,96.45 382.849,96.45 381.284,94.885 U10.1@380.47,94.885
BUS2_N: J1.56 J2.56 J3.56 J4.56 J5.56 J6.56 J7.56 J8.56 J9.56 J10.56 J11.56 J12.56 J13.56 J14.56 J15.56 J16.56 R3.1 U10.2 | length 357.5
  Top Layer w0.15: J1.56@64.77,89.872 78.388,89.872 79.54,88.72 80.745,88.72 81.795,89.77 84.872,89.77 J2.56@85.032,89.93 ; J2.56@85.09,89.872 85.298,90.08 98.47,90.08 99.733,88.817 100.867,88.817 101.98,89.93 J3.56@105.352,89.93 ; J3.56@105.41,89.872 105.588,90.05 118.8,90.05 120.1,88.75 121.1,88.75 122.28,89.93 J4.56@125.672,89.93 ; J4.56@125.73,89.872 125.908,90.05 139.2,90.05 140.45,88.8 141.4,88.8 142.53,89.93 J5.56@145.992,89.93 ; J5.56@146.05,89.872 146.228,90.05 159.45,90.05 160.7,88.8 161.75,88.8 162.88,89.93 J6.56@166.312,89.93 ; J6.56@166.37,89.872 166.528,90.03 179.73,90.03 180.943,88.817 182.443,88.817 183.555,89.93 J7.56@186.632,89.93 ; J7.56@186.69,89.872 186.858,90.04 200.21,90.04 201.45,88.8 202.4,88.8 203.55,89.95 220.55,89.95 221.7,88.8 222.73,88.8 223.86,89.93 J9.56@227.272,89.93 ; J9.56@227.33,89.872 227.508,90.05 240.85,90.05 242.15,88.75 242.95,88.75 244.13,89.93 J10.56@247.592,89.93 ; J10.56@247.65,89.872 247.828,90.05 261.1,90.05 262.43,88.72 263.64,88.72 264.85,89.93 J11.56@267.912,89.93 ; J11.56@267.97,89.872 268.148,90.05 281.35,90.05 282.62,88.78 283.85,88.78 285,89.93 J12.56@288.232,89.93 ; J12.56@288.29,89.872 288.468,90.05 301.85,90.05 303.1,88.8 303.95,88.8 305.08,89.93 J13.56@308.552,89.93 ; J13.56@308.61,89.872 322.1,89.872 323.273,88.7 324.44,88.7 325.67,89.93 J14.56@328.872,89.93 ; J14.56@328.93,89.872 342.577,89.872 343.68,88.77 344.72,88.77 345.88,89.93 J15.56@349.192,89.93 ; J15.56@349.25,89.872 362.95,89.872 364.123,88.7 364.85,88.7 366.08,89.93 J16.56@369.512,89.93 ; J16.56@369.57,89.852 377.553,89.852 R3.1@378.5,90.8
  Bottom Layer w0.15: J16.56@369.57,89.852 369.57,89.26 370.9,87.93 370.9,85.42 372.47,83.85 382.4,83.85 383.8,85.25 383.8,91.04 U10.2@381.21,93.63
BUS2_P: J1.55 J2.55 J3.55 J4.55 J5.55 J6.55 J7.55 J8.55 J9.55 J10.55 J11.55 J12.55 J13.55 J14.55 J15.55 J16.55 R3.2 U10.3 | length 344.6
  Top Layer w0.15: J1.55@67.506,91.006 67.542,90.97 80.799,90.97 82.032,92.203 83.436,92.203 84.437,91.202 J2.55@87.63,91.202 ; J2.55@87.826,91.006 101.155,91.006 102.352,92.203 103.756,92.203 104.757,91.202 J3.55@107.95,91.202 ; J3.55@108.146,91.006 121.475,91.006 122.672,92.203 124.076,92.203 125.077,91.202 J4.55@128.27,91.202 ; J4.55@128.466,91.006 141.795,91.006 142.992,92.203 144.396,92.203 145.397,91.202 J5.55@148.59,91.202 ; J5.55@148.786,91.006 148.832,90.96 162.069,90.96 163.312,92.203 164.716,92.203 165.717,91.202 J6.55@168.91,91.202 ; J6.55@169.106,91.006 182.435,91.006 183.632,92.203 185.036,92.203 186.037,91.202 J7.55@189.23,91.202 ; J7.55@189.426,91.006 189.452,90.98 202.729,90.98 203.952,92.203 205.356,92.203 206.357,91.202 J8.55@209.55,91.202 ; J8.55@209.746,91.006 223.075,91.006 224.272,92.203 225.676,92.203 226.677,91.202 J9.55@229.87,91.202 ; J9.55@230.066,91.006 230.112,90.96 243.349,90.96 244.592,92.203 245.996,92.203 246.997,91.202 J10.55@250.19,91.202 ; J10.55@250.386,91.006 250.442,90.95 263.659,90.95 264.912,92.203 266.316,92.203 267.317,91.202 J11.55@270.51,91.202 ; J11.55@270.706,91.006 270.732,90.98 284.009,90.98 285.232,92.203 286.636,92.203 287.637,91.202 J12.55@290.83,91.202 ; J12.55@291.026,91.006 304.355,91.006 305.552,92.203 306.956,92.203 307.957,91.202 J13.55@311.15,91.202 ; J13.55@311.346,91.006 311.392,90.96 324.629,90.96 325.872,92.203 327.276,92.203 328.277,91.202 J14.55@331.47,91.202 ; J14.55@331.666,91.006 344.995,91.006 346.192,92.203 347.596,92.203 348.597,91.202 J15.55@351.79,91.202 ; J15.55@351.986,91.006 352.012,90.98 365.289,90.98 366.512,92.203 367.916,92.203 368.917,91.202 J16.55@372.11,91.202 ; J16.55@372.1,91.1 372.4,91.4 R3.2@375.85,91.4
  Bottom Layer w0.15: J16.55@372.11,91.123 372.11,90.66 373.13,89.64 373.13,89.026 373.3,88.856 373.3,85.2 374.25,84.25 382,84.25 383.2,85.45 383.2,90.43 U10.3@381.23,92.4
BUS3: P9.25 U10.7 U11.1B30 | length 311.6
  Top Layer w0.15: P9.25@178.2,209 178.2,208.5 U11.1B30@180.95,205.75
  Bottom Layer w0.15: U11.1B30@180.94,205.72 181.94,204.72 181.94,202.86 193.65,191.15 357.45,191.15 388.39,160.21 388.39,102.416 381.724,95.75 379.45,95.75 378.7,95 378.7,87.6 379.035,87.265 U10.7@380.47,87.265
BUS3_N: J1.53 J2.53 J3.53 J4.53 J5.53 J6.53 J7.53 J8.53 J9.53 J10.53 J11.53 J12.53 J13.53 J14.53 J15.53 J16.53 R4.1 U10.6 | length 340.6
  Top Layer w0.15: J1.53@67.506,93.506 67.512,93.5 80.829,93.5 82.032,94.703 83.436,94.703 84.437,93.702 J2.53@87.63,93.702 ; J2.53@87.826,93.506 101.155,93.506 102.352,94.703 103.756,94.703 104.757,93.702 J3.53@107.95,93.702 ; J3.53@108.146,93.506 121.475,93.506 122.672,94.703 124.076,94.703 125.077,93.702 J4.53@128.27,93.702 ; J4.53@128.466,93.506 141.795,93.506 142.992,94.703 144.396,94.703 145.397,93.702 J5.53@148.59,93.702 ; J5.53@148.786,93.506 162.115,93.506 163.312,94.703 164.716,94.703 165.717,93.702 J6.53@168.91,93.702 ; J6.53@169.106,93.506 182.435,93.506 183.632,94.703 185.036,94.703 186.037,93.702 J7.53@189.23,93.702 ; J7.53@189.426,93.506 189.452,93.48 202.729,93.48 203.952,94.703 205.356,94.703 206.357,93.702 J8.53@209.55,93.702 ; J8.53@209.746,93.506 223.075,93.506 224.272,94.703 225.676,94.703 226.677,93.702 J9.53@229.87,93.702 ; J9.53@230.066,93.506 230.072,93.5 243.389,93.5 244.592,94.703 245.996,94.703 246.997,93.702 J10.53@250.19,93.702 ; J10.53@250.386,93.506 263.715,93.506 264.912,94.703 266.316,94.703 267.317,93.702 J11.53@270.51,93.702 ; J11.53@270.706,93.506 270.732,93.48 284.009,93.48 285.232,94.703 286.636,94.703 287.637,93.702 J12.53@290.83,93.702 ; J12.53@291.026,93.506 304.355,93.506 305.552,94.703 306.956,94.703 307.957,93.702 J13.53@311.15,93.702 ; J13.53@311.346,93.506 311.372,93.48 324.649,93.48 325.872,94.703 327.276,94.703 328.277,93.702 J14.53@331.47,93.702 ; J14.53@331.666,93.506 331.712,93.46 344.949,93.46 346.192,94.703 347.596,94.703 348.597,93.702 J15.53@351.79,93.702 ; J15.53@351.986,93.506 351.992,93.5 365.309,93.5 366.512,94.703 367.916,94.703 368.917,93.702 J16.53@372.11,93.702 ; J16.53@372.11,93.662 375.163,93.662 R4.1@375.8,94.3
  Bottom Layer w0.15: J16.53@372.11,93.662 372.11,93.24 373.445,91.905 373.445,90.405 373.677,90.173 373.677,89.941 373.73,89.889 373.73,89.275 373.9,89.105 373.9,85.5 374.5,84.9 381.5,84.9 382.09,85.49 382.09,87.46 U10.6@381.07,88.48